# KiCad board panel.opm-inline.kicad_pcb (continued)
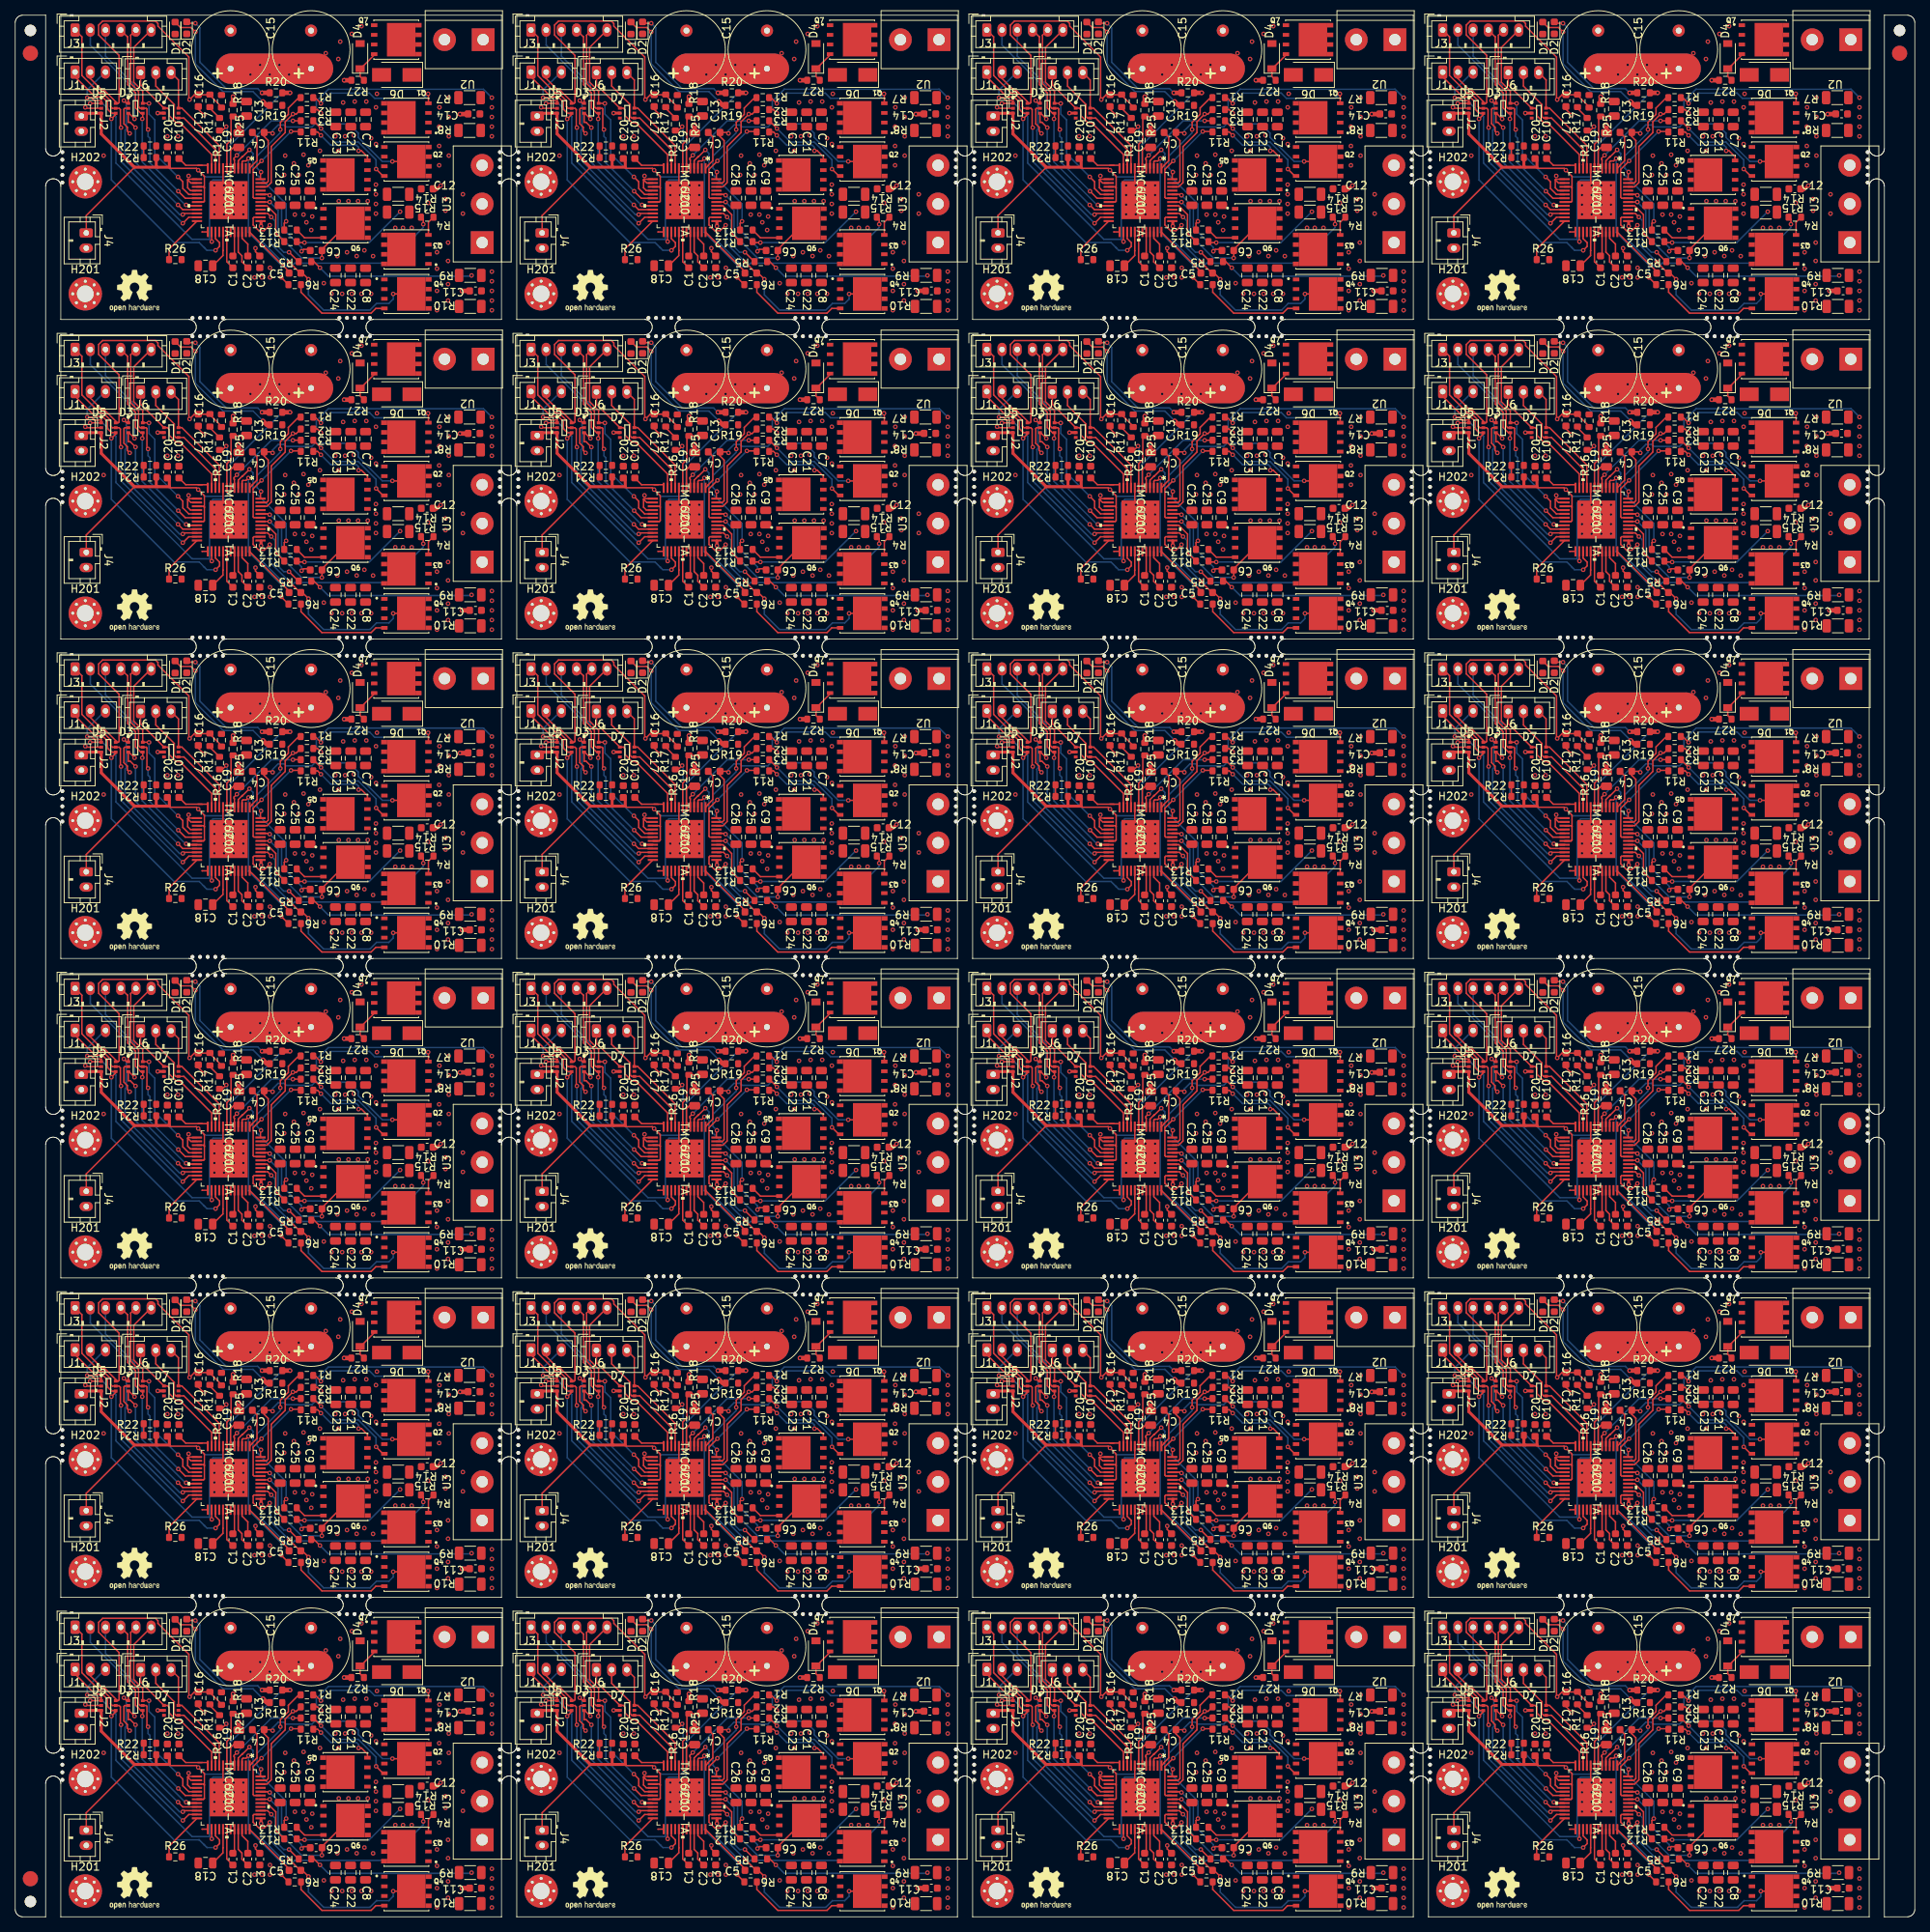
[diagram p0: board, top side]
## Placement (name value [footprint] x y rotation side) (continued)
C13#4  2.2uF/50V  [C_0805_2012Metric]  30.42 153.67 90 top
C13#5  2.2uF/50V  [C_0805_2012Metric]  90.37 27.7 90 top
C13#6  2.2uF/50V  [C_0805_2012Metric]  90.37 69.69 90 top
C13#7  2.2uF/50V  [C_0805_2012Metric]  210.27 111.68 90 top
C13#8  2.2uF/50V  [C_0805_2012Metric]  90.37 111.68 90 top
C13#9  2.2uF/50V  [C_0805_2012Metric]  90.37 153.67 90 top
C13#10  2.2uF/50V  [C_0805_2012Metric]  210.27 153.67 90 top
C13#11  2.2uF/50V  [C_0805_2012Metric]  210.27 237.65 90 top
C13#12  2.2uF/50V  [C_0805_2012Metric]  210.27 27.7 90 top
C13#13  2.2uF/50V  [C_0805_2012Metric]  30.42 69.69 90 top
C13#14  2.2uF/50V  [C_0805_2012Metric]  90.37 195.66 90 top
C13#15  2.2uF/50V  [C_0805_2012Metric]  210.27 69.69 90 top
C13#16  2.2uF/50V  [C_0805_2012Metric]  30.42 237.65 90 top
C13#17  2.2uF/50V  [C_0805_2012Metric]  150.32 195.66 90 top
C13#18  2.2uF/50V  [C_0805_2012Metric]  30.42 195.66 90 top
C13#19  2.2uF/50V  [C_0805_2012Metric]  30.42 27.7 90 top
C13#20  2.2uF/50V  [C_0805_2012Metric]  150.32 69.69 90 top
C13#21  2.2uF/50V  [C_0805_2012Metric]  150.32 153.67 90 top
C13#22  2.2uF/50V  [C_0805_2012Metric]  210.27 195.66 90 top
C13#23  2.2uF/50V  [C_0805_2012Metric]  150.32 27.7 90 top
C13#24  2.2uF/50V  [C_0805_2012Metric]  30.42 111.68 90 top
C14  1nF/100V  [C_0603_1608Metric]  120.28 111.01 180 top
C14#2  1nF/100V  [C_0603_1608Metric]  60.33 153 180 top
C14#3  1nF/100V  [C_0603_1608Metric]  180.23 236.98 180 top
C14#4  1nF/100V  [C_0603_1608Metric]  120.28 236.98 180 top
C14#5  1nF/100V  [C_0603_1608Metric]  180.23 111.01 180 top
C14#6  1nF/100V  [C_0603_1608Metric]  180.23 69.02 180 top
C14#7  1nF/100V  [C_0603_1608Metric]  60.33 69.02 180 top
C14#8  1nF/100V  [C_0603_1608Metric]  240.18 194.99 180 top
C14#9  1nF/100V  [C_0603_1608Metric]  180.23 194.99 180 top
C14#10  1nF/100V  [C_0603_1608Metric]  180.23 27.03 180 top
C14#11  1nF/100V  [C_0603_1608Metric]  120.28 69.02 180 top
C14#12  1nF/100V  [C_0603_1608Metric]  240.18 27.03 180 top
C14#13  1nF/100V  [C_0603_1608Metric]  60.33 111.01 180 top
C14#14  1nF/100V  [C_0603_1608Metric]  240.18 111.01 180 top
C14#15  1nF/100V  [C_0603_1608Metric]  240.18 236.98 180 top
C14#16  1nF/100V  [C_0603_1608Metric]  120.28 27.03 180 top
C14#17  1nF/100V  [C_0603_1608Metric]  120.28 153 180 top
C14#18  1nF/100V  [C_0603_1608Metric]  60.33 27.03 180 top
C14#19  1nF/100V  [C_0603_1608Metric]  120.28 194.99 180 top
C14#20  1nF/100V  [C_0603_1608Metric]  180.23 153 180 top
C14#21  1nF/100V  [C_0603_1608Metric]  60.33 236.98 180 top
C14#22  1nF/100V  [C_0603_1608Metric]  240.18 153 180 top
C14#23  1nF/100V  [C_0603_1608Metric]  240.18 69.02 180 top
C14#24  1nF/100V  [C_0603_1608Metric]  60.33 194.99 180 top
C15  330uF/63V  [C_Radial_D10.0mm_H20.0mm_P5.00mm]  38.91 200.94 90 top
C15#2  330uF/63V  [C_Radial_D10.0mm_H20.0mm_P5.00mm]  218.76 74.97 90 top
C15#3  330uF/63V  [C_Radial_D10.0mm_H20.0mm_P5.00mm]  218.76 242.93 90 top
C15#4  330uF/63V  [C_Radial_D10.0mm_H20.0mm_P5.00mm]  218.76 200.94 90 top
C15#5  330uF/63V  [C_Radial_D10.0mm_H20.0mm_P5.00mm]  98.86 116.96 90 top
C15#6  330uF/63V  [C_Radial_D10.0mm_H20.0mm_P5.00mm]  218.76 116.96 90 top
C15#7  330uF/63V  [C_Radial_D10.0mm_H20.0mm_P5.00mm]  158.81 116.96 90 top
C15#8  330uF/63V  [C_Radial_D10.0mm_H20.0mm_P5.00mm]  218.76 32.98 90 top
C15#9  330uF/63V  [C_Radial_D10.0mm_H20.0mm_P5.00mm]  38.91 158.95 90 top
C15#10  330uF/63V  [C_Radial_D10.0mm_H20.0mm_P5.00mm]  98.86 74.97 90 top
C15#11  330uF/63V  [C_Radial_D10.0mm_H20.0mm_P5.00mm]  158.81 74.97 90 top
C15#12  330uF/63V  [C_Radial_D10.0mm_H20.0mm_P5.00mm]  158.81 242.93 90 top
C15#13  330uF/63V  [C_Radial_D10.0mm_H20.0mm_P5.00mm]  38.91 32.98 90 top
C15#14  330uF/63V  [C_Radial_D10.0mm_H20.0mm_P5.00mm]  38.91 242.93 90 top
C15#15  330uF/63V  [C_Radial_D10.0mm_H20.0mm_P5.00mm]  38.91 74.97 90 top
C15#16  330uF/63V  [C_Radial_D10.0mm_H20.0mm_P5.00mm]  98.86 200.94 90 top
C15#17  330uF/63V  [C_Radial_D10.0mm_H20.0mm_P5.00mm]  98.86 158.95 90 top
C15#18  330uF/63V  [C_Radial_D10.0mm_H20.0mm_P5.00mm]  98.86 32.98 90 top
C15#19  330uF/63V  [C_Radial_D10.0mm_H20.0mm_P5.00mm]  158.81 200.94 90 top
C15#20  330uF/63V  [C_Radial_D10.0mm_H20.0mm_P5.00mm]  218.76 158.95 90 top
C15#21  330uF/63V  [C_Radial_D10.0mm_H20.0mm_P5.00mm]  98.86 242.93 90 top
C15#22  330uF/63V  [C_Radial_D10.0mm_H20.0mm_P5.00mm]  158.81 32.98 90 top
C15#23  330uF/63V  [C_Radial_D10.0mm_H20.0mm_P5.00mm]  158.81 158.95 90 top
C15#24  330uF/63V  [C_Radial_D10.0mm_H20.0mm_P5.00mm]  38.91 116.96 90 top
C16  330uF/63V  [C_Radial_D10.0mm_H20.0mm_P5.00mm]  88.27 200.94 90 top
C16#2  330uF/63V  [C_Radial_D10.0mm_H20.0mm_P5.00mm]  148.22 32.98 90 top
C16#3  330uF/63V  [C_Radial_D10.0mm_H20.0mm_P5.00mm]  148.22 74.97 90 top
C16#4  330uF/63V  [C_Radial_D10.0mm_H20.0mm_P5.00mm]  208.17 158.95 90 top
C16#5  330uF/63V  [C_Radial_D10.0mm_H20.0mm_P5.00mm]  148.22 200.94 90 top
C16#6  330uF/63V  [C_Radial_D10.0mm_H20.0mm_P5.00mm]  148.22 158.95 90 top
C16#7  330uF/63V  [C_Radial_D10.0mm_H20.0mm_P5.00mm]  148.22 242.93 90 top
C16#8  330uF/63V  [C_Radial_D10.0mm_H20.0mm_P5.00mm]  208.17 74.97 90 top
C16#9  330uF/63V  [C_Radial_D10.0mm_H20.0mm_P5.00mm]  208.17 200.94 90 top
C16#10  330uF/63V  [C_Radial_D10.0mm_H20.0mm_P5.00mm]  88.27 32.98 90 top
C16#11  330uF/63V  [C_Radial_D10.0mm_H20.0mm_P5.00mm]  88.27 116.96 90 top
C16#12  330uF/63V  [C_Radial_D10.0mm_H20.0mm_P5.00mm]  88.27 74.97 90 top
C16#13  330uF/63V  [C_Radial_D10.0mm_H20.0mm_P5.00mm]  28.32 158.95 90 top
C16#14  330uF/63V  [C_Radial_D10.0mm_H20.0mm_P5.00mm]  28.32 200.94 90 top
C16#15  330uF/63V  [C_Radial_D10.0mm_H20.0mm_P5.00mm]  208.17 242.93 90 top
C16#16  330uF/63V  [C_Radial_D10.0mm_H20.0mm_P5.00mm]  88.27 242.93 90 top
C16#17  330uF/63V  [C_Radial_D10.0mm_H20.0mm_P5.00mm]  88.27 158.95 90 top
C16#18  330uF/63V  [C_Radial_D10.0mm_H20.0mm_P5.00mm]  28.32 116.96 90 top
C16#19  330uF/63V  [C_Radial_D10.0mm_H20.0mm_P5.00mm]  28.32 74.97 90 top
C16#20  330uF/63V  [C_Radial_D10.0mm_H20.0mm_P5.00mm]  208.17 116.96 90 top
C16#21  330uF/63V  [C_Radial_D10.0mm_H20.0mm_P5.00mm]  208.17 32.98 90 top
C16#22  330uF/63V  [C_Radial_D10.0mm_H20.0mm_P5.00mm]  148.22 116.96 90 top
C16#23  330uF/63V  [C_Radial_D10.0mm_H20.0mm_P5.00mm]  28.32 242.93 90 top
C16#24  330uF/63V  [C_Radial_D10.0mm_H20.0mm_P5.00mm]  28.32 32.98 90 top
C17  100nF/50V  [C_0603_1608Metric]  24.07 154.74 270 top
C17#2  100nF/50V  [C_0603_1608Metric]  24.07 28.77 270 top
C17#3  100nF/50V  [C_0603_1608Metric]  24.07 112.75 270 top
C17#4  100nF/50V  [C_0603_1608Metric]  143.97 154.74 270 top
C17#5  100nF/50V  [C_0603_1608Metric]  203.92 28.77 270 top
C17#6  100nF/50V  [C_0603_1608Metric]  143.97 28.77 270 top
C17#7  100nF/50V  [C_0603_1608Metric]  84.02 196.73 270 top
C17#8  100nF/50V  [C_0603_1608Metric]  143.97 70.76 270 top
C17#9  100nF/50V  [C_0603_1608Metric]  24.07 238.72 270 top
C17#10  100nF/50V  [C_0603_1608Metric]  143.97 196.73 270 top
C17#11  100nF/50V  [C_0603_1608Metric]  203.92 70.76 270 top
C17#12  100nF/50V  [C_0603_1608Metric]  84.02 238.72 270 top
C17#13  100nF/50V  [C_0603_1608Metric]  203.92 154.74 270 top
C17#14  100nF/50V  [C_0603_1608Metric]  203.92 112.75 270 top
C17#15  100nF/50V  [C_0603_1608Metric]  203.92 238.72 270 top
C17#16  100nF/50V  [C_0603_1608Metric]  84.02 70.76 270 top
C17#17  100nF/50V  [C_0603_1608Metric]  84.02 28.77 270 top
C17#18  100nF/50V  [C_0603_1608Metric]  24.07 196.73 270 top
C17#19  100nF/50V  [C_0603_1608Metric]  203.92 196.73 270 top
C17#20  100nF/50V  [C_0603_1608Metric]  24.07 70.76 270 top
C17#21  100nF/50V  [C_0603_1608Metric]  84.02 154.74 270 top
C17#22  100nF/50V  [C_0603_1608Metric]  143.97 238.72 270 top
C17#23  100nF/50V  [C_0603_1608Metric]  143.97 112.75 270 top
C17#24  100nF/50V  [C_0603_1608Metric]  84.02 112.75 270 top
C18  100nF/100V  [C_0805_2012Metric]  84.97 217.02 180 top
C18#2  100nF/100V  [C_0805_2012Metric]  25.02 49.06 180 top
C18#3  100nF/100V  [C_0805_2012Metric]  204.87 175.03 180 top
C18#4  100nF/100V  [C_0805_2012Metric]  25.02 217.02 180 top
C18#5  100nF/100V  [C_0805_2012Metric]  204.87 133.04 180 top
C18#6  100nF/100V  [C_0805_2012Metric]  204.87 217.02 180 top
C18#7  100nF/100V  [C_0805_2012Metric]  204.87 91.05 180 top
C18#8  100nF/100V  [C_0805_2012Metric]  25.02 91.05 180 top
C18#9  100nF/100V  [C_0805_2012Metric]  144.92 133.04 180 top
C18#10  100nF/100V  [C_0805_2012Metric]  84.97 133.04 180 top
C18#11  100nF/100V  [C_0805_2012Metric]  144.92 91.05 180 top
C18#12  100nF/100V  [C_0805_2012Metric]  84.97 49.06 180 top
C18#13  100nF/100V  [C_0805_2012Metric]  84.97 7.07 180 top
C18#14  100nF/100V  [C_0805_2012Metric]  204.87 49.06 180 top
C18#15  100nF/100V  [C_0805_2012Metric]  144.92 175.03 180 top
C18#16  100nF/100V  [C_0805_2012Metric]  144.92 7.07 180 top
C18#17  100nF/100V  [C_0805_2012Metric]  144.92 217.02 180 top
C18#18  100nF/100V  [C_0805_2012Metric]  25.02 7.07 180 top
C18#19  100nF/100V  [C_0805_2012Metric]  84.97 91.05 180 top
C18#20  100nF/100V  [C_0805_2012Metric]  25.02 133.04 180 top
C18#21  100nF/100V  [C_0805_2012Metric]  84.97 175.03 180 top
C18#22  100nF/100V  [C_0805_2012Metric]  204.87 7.07 180 top
C18#23  100nF/100V  [C_0805_2012Metric]  25.02 175.03 180 top
C18#24  100nF/100V  [C_0805_2012Metric]  144.92 49.06 180 top
C19  2.2uF/50V  [C_0805_2012Metric]  89.36 107.56 90 top
C19#2  2.2uF/50V  [C_0805_2012Metric]  149.31 149.55 90 top
C19#3  2.2uF/50V  [C_0805_2012Metric]  29.41 149.55 90 top
C19#4  2.2uF/50V  [C_0805_2012Metric]  89.36 23.58 90 top
C19#5  2.2uF/50V  [C_0805_2012Metric]  149.31 191.54 90 top
C19#6  2.2uF/50V  [C_0805_2012Metric]  29.41 191.54 90 top
C19#7  2.2uF/50V  [C_0805_2012Metric]  209.26 149.55 90 top
C19#8  2.2uF/50V  [C_0805_2012Metric]  29.41 233.53 90 top
C19#9  2.2uF/50V  [C_0805_2012Metric]  89.36 65.57 90 top
C19#10  2.2uF/50V  [C_0805_2012Metric]  29.41 107.56 90 top
C19#11  2.2uF/50V  [C_0805_2012Metric]  209.26 191.54 90 top
C19#12  2.2uF/50V  [C_0805_2012Metric]  149.31 107.56 90 top
C19#13  2.2uF/50V  [C_0805_2012Metric]  89.36 149.55 90 top
C19#14  2.2uF/50V  [C_0805_2012Metric]  89.36 233.53 90 top
C19#15  2.2uF/50V  [C_0805_2012Metric]  149.31 65.57 90 top
C19#16  2.2uF/50V  [C_0805_2012Metric]  29.41 23.58 90 top
C19#17  2.2uF/50V  [C_0805_2012Metric]  209.26 107.56 90 top
C19#18  2.2uF/50V  [C_0805_2012Metric]  149.31 23.58 90 top
C19#19  2.2uF/50V  [C_0805_2012Metric]  209.26 23.58 90 top
C19#20  2.2uF/50V  [C_0805_2012Metric]  149.31 233.53 90 top
C19#21  2.2uF/50V  [C_0805_2012Metric]  89.36 191.54 90 top
C19#22  2.2uF/50V  [C_0805_2012Metric]  209.26 233.53 90 top
C19#23  2.2uF/50V  [C_0805_2012Metric]  29.41 65.57 90 top
C19#24  2.2uF/50V  [C_0805_2012Metric]  209.26 65.57 90 top
C20  100nF/50V  [C_0603_1608Metric]  199.86 189.89 90 top
C20#2  100nF/50V  [C_0603_1608Metric]  139.91 105.91 90 top
C20#3  100nF/50V  [C_0603_1608Metric]  20.01 147.9 90 top
C20#4  100nF/50V  [C_0603_1608Metric]  20.01 21.93 90 top
C20#5  100nF/50V  [C_0603_1608Metric]  79.96 21.93 90 top
C20#6  100nF/50V  [C_0603_1608Metric]  79.96 105.91 90 top
C20#7  100nF/50V  [C_0603_1608Metric]  79.96 231.89 90 top
C20#8  100nF/50V  [C_0603_1608Metric]  199.86 231.89 90 top
C20#9  100nF/50V  [C_0603_1608Metric]  79.96 147.9 90 top
C20#10  100nF/50V  [C_0603_1608Metric]  199.86 105.91 90 top
C20#11  100nF/50V  [C_0603_1608Metric]  199.86 147.9 90 top
C20#12  100nF/50V  [C_0603_1608Metric]  20.01 231.89 90 top
C20#13  100nF/50V  [C_0603_1608Metric]  139.91 63.92 90 top
C20#14  100nF/50V  [C_0603_1608Metric]  79.96 63.92 90 top
C20#15  100nF/50V  [C_0603_1608Metric]  20.01 189.89 90 top
C20#16  100nF/50V  [C_0603_1608Metric]  139.91 231.89 90 top
C20#17  100nF/50V  [C_0603_1608Metric]  199.86 21.93 90 top
C20#18  100nF/50V  [C_0603_1608Metric]  20.01 105.91 90 top
C20#19  100nF/50V  [C_0603_1608Metric]  139.91 21.93 90 top
C20#20  100nF/50V  [C_0603_1608Metric]  139.91 189.89 90 top
C20#21  100nF/50V  [C_0603_1608Metric]  139.91 147.9 90 top
C20#22  100nF/50V  [C_0603_1608Metric]  79.96 189.89 90 top
C20#23  100nF/50V  [C_0603_1608Metric]  20.01 63.92 90 top
C20#24  100nF/50V  [C_0603_1608Metric]  199.86 63.92 90 top
C21  1uF/100V  [C_0805_2012Metric]  104.08 152.28 270 top
C21#2  1uF/100V  [C_0805_2012Metric]  223.98 236.26 270 top
C21#3  1uF/100V  [C_0805_2012Metric]  164.03 194.27 270 top
C21#4  1uF/100V  [C_0805_2012Metric]  223.98 152.28 270 top
C21#5  1uF/100V  [C_0805_2012Metric]  104.08 110.29 270 top
C21#6  1uF/100V  [C_0805_2012Metric]  223.98 68.3 270 top
C21#7  1uF/100V  [C_0805_2012Metric]  223.98 110.29 270 top
C21#8  1uF/100V  [C_0805_2012Metric]  223.98 194.27 270 top
C21#9  1uF/100V  [C_0805_2012Metric]  164.03 236.26 270 top
C21#10  1uF/100V  [C_0805_2012Metric]  44.13 26.31 270 top
C21#11  1uF/100V  [C_0805_2012Metric]  44.13 152.28 270 top
C21#12  1uF/100V  [C_0805_2012Metric]  104.08 26.31 270 top
C21#13  1uF/100V  [C_0805_2012Metric]  44.13 236.26 270 top
C21#14  1uF/100V  [C_0805_2012Metric]  104.08 194.27 270 top
C21#15  1uF/100V  [C_0805_2012Metric]  104.08 68.3 270 top
C21#16  1uF/100V  [C_0805_2012Metric]  164.03 110.29 270 top
C21#17  1uF/100V  [C_0805_2012Metric]  44.13 110.29 270 top
C21#18  1uF/100V  [C_0805_2012Metric]  223.98 26.31 270 top
C21#19  1uF/100V  [C_0805_2012Metric]  164.03 152.28 270 top
C21#20  1uF/100V  [C_0805_2012Metric]  164.03 68.3 270 top
C21#21  1uF/100V  [C_0805_2012Metric]  104.08 236.26 270 top
C21#22  1uF/100V  [C_0805_2012Metric]  44.13 194.27 270 top
C21#23  1uF/100V  [C_0805_2012Metric]  44.13 68.3 270 top
C21#24  1uF/100V  [C_0805_2012Metric]  164.03 26.31 270 top
C22  1uF/100V  [C_0805_2012Metric]  223.95 215.76 270 top
C22#2  1uF/100V  [C_0805_2012Metric]  44.1 173.77 270 top
C22#3  1uF/100V  [C_0805_2012Metric]  164 5.81 270 top
C22#4  1uF/100V  [C_0805_2012Metric]  164 173.77 270 top
C22#5  1uF/100V  [C_0805_2012Metric]  104.05 173.77 270 top
C22#6  1uF/100V  [C_0805_2012Metric]  44.1 131.78 270 top
C22#7  1uF/100V  [C_0805_2012Metric]  104.05 5.81 270 top
C22#8  1uF/100V  [C_0805_2012Metric]  104.05 131.78 270 top
C22#9  1uF/100V  [C_0805_2012Metric]  164 89.79 270 top
C22#10  1uF/100V  [C_0805_2012Metric]  104.05 215.76 270 top
C22#11  1uF/100V  [C_0805_2012Metric]  44.1 89.79 270 top
C22#12  1uF/100V  [C_0805_2012Metric]  223.95 173.77 270 top
C22#13  1uF/100V  [C_0805_2012Metric]  44.1 47.8 270 top
C22#14  1uF/100V  [C_0805_2012Metric]  223.95 131.78 270 top
C22#15  1uF/100V  [C_0805_2012Metric]  164 131.78 270 top
C22#16  1uF/100V  [C_0805_2012Metric]  164 215.76 270 top
C22#17  1uF/100V  [C_0805_2012Metric]  44.1 215.76 270 top
C22#18  1uF/100V  [C_0805_2012Metric]  104.05 47.8 270 top
C22#19  1uF/100V  [C_0805_2012Metric]  104.05 89.79 270 top
C22#20  1uF/100V  [C_0805_2012Metric]  164 47.8 270 top
C22#21  1uF/100V  [C_0805_2012Metric]  223.95 89.79 270 top
C22#22  1uF/100V  [C_0805_2012Metric]  223.95 5.81 270 top
C22#23  1uF/100V  [C_0805_2012Metric]  44.1 5.81 270 top
C22#24  1uF/100V  [C_0805_2012Metric]  223.95 47.8 270 top
C23  1uF/100V  [C_0805_2012Metric]  42.16 152.28 270 top
C23#2  1uF/100V  [C_0805_2012Metric]  162.06 152.28 270 top
C23#3  1uF/100V  [C_0805_2012Metric]  222.01 236.26 270 top
C23#4  1uF/100V  [C_0805_2012Metric]  102.11 68.3 270 top
C23#5  1uF/100V  [C_0805_2012Metric]  222.01 110.29 270 top
C23#6  1uF/100V  [C_0805_2012Metric]  42.16 194.27 270 top
C23#7  1uF/100V  [C_0805_2012Metric]  42.16 68.3 270 top
C23#8  1uF/100V  [C_0805_2012Metric]  42.16 110.29 270 top
C23#9  1uF/100V  [C_0805_2012Metric]  222.01 194.27 270 top
C23#10  1uF/100V  [C_0805_2012Metric]  222.01 152.28 270 top
C23#11  1uF/100V  [C_0805_2012Metric]  42.16 26.31 270 top
C23#12  1uF/100V  [C_0805_2012Metric]  102.11 26.31 270 top
C23#13  1uF/100V  [C_0805_2012Metric]  102.11 194.27 270 top
C23#14  1uF/100V  [C_0805_2012Metric]  162.06 194.27 270 top
C23#15  1uF/100V  [C_0805_2012Metric]  222.01 68.3 270 top
C23#16  1uF/100V  [C_0805_2012Metric]  42.16 236.26 270 top
C23#17  1uF/100V  [C_0805_2012Metric]  162.06 26.31 270 top
C23#18  1uF/100V  [C_0805_2012Metric]  162.06 68.3 270 top
C23#19  1uF/100V  [C_0805_2012Metric]  222.01 26.31 270 top
C23#20  1uF/100V  [C_0805_2012Metric]  162.06 110.29 270 top
C23#21  1uF/100V  [C_0805_2012Metric]  102.11 110.29 270 top
C23#22  1uF/100V  [C_0805_2012Metric]  162.06 236.26 270 top
C23#23  1uF/100V  [C_0805_2012Metric]  102.11 152.28 270 top
C23#24  1uF/100V  [C_0805_2012Metric]  102.11 236.26 270 top
C24  1uF/100V  [C_0805_2012Metric]  102.07 131.78 270 top
C24#2  1uF/100V  [C_0805_2012Metric]  102.07 173.77 270 top
C24#3  1uF/100V  [C_0805_2012Metric]  42.12 47.8 270 top
C24#4  1uF/100V  [C_0805_2012Metric]  221.97 215.76 270 top
C24#5  1uF/100V  [C_0805_2012Metric]  162.02 131.78 270 top
C24#6  1uF/100V  [C_0805_2012Metric]  162.02 47.8 270 top
C24#7  1uF/100V  [C_0805_2012Metric]  221.97 131.78 270 top
C24#8  1uF/100V  [C_0805_2012Metric]  42.12 89.79 270 top
C24#9  1uF/100V  [C_0805_2012Metric]  221.97 47.8 270 top
C24#10  1uF/100V  [C_0805_2012Metric]  221.97 5.81 270 top
C24#11  1uF/100V  [C_0805_2012Metric]  162.02 173.77 270 top
C24#12  1uF/100V  [C_0805_2012Metric]  162.02 215.76 270 top
C24#13  1uF/100V  [C_0805_2012Metric]  42.12 173.77 270 top
C24#14  1uF/100V  [C_0805_2012Metric]  162.02 89.79 270 top
C24#15  1uF/100V  [C_0805_2012Metric]  221.97 89.79 270 top
C24#16  1uF/100V  [C_0805_2012Metric]  102.07 215.76 270 top
C24#17  1uF/100V  [C_0805_2012Metric]  42.12 215.76 270 top
C24#18  1uF/100V  [C_0805_2012Metric]  102.07 89.79 270 top
C24#19  1uF/100V  [C_0805_2012Metric]  102.07 5.81 270 top
C24#20  1uF/100V  [C_0805_2012Metric]  102.07 47.8 270 top
C24#21  1uF/100V  [C_0805_2012Metric]  42.12 5.81 270 top
C24#22  1uF/100V  [C_0805_2012Metric]  42.12 131.78 270 top
C24#23  1uF/100V  [C_0805_2012Metric]  162.02 5.81 270 top
C24#24  1uF/100V  [C_0805_2012Metric]  221.97 173.77 270 top
C25  1uF/100V  [C_0805_2012Metric]  36.81 57.96 270 top
C25#2  1uF/100V  [C_0805_2012Metric]  96.76 57.96 270 top
C25#3  1uF/100V  [C_0805_2012Metric]  96.76 141.94 270 top
C25#4  1uF/100V  [C_0805_2012Metric]  36.81 15.97 270 top
C25#5  1uF/100V  [C_0805_2012Metric]  96.76 15.97 270 top
C25#6  1uF/100V  [C_0805_2012Metric]  36.81 225.92 270 top
C25#7  1uF/100V  [C_0805_2012Metric]  216.66 141.94 270 top
C25#8  1uF/100V  [C_0805_2012Metric]  156.71 225.92 270 top
C25#9  1uF/100V  [C_0805_2012Metric]  216.66 15.97 270 top
C25#10  1uF/100V  [C_0805_2012Metric]  96.76 183.93 270 top
C25#11  1uF/100V  [C_0805_2012Metric]  156.71 183.93 270 top
C25#12  1uF/100V  [C_0805_2012Metric]  216.66 225.92 270 top
C25#13  1uF/100V  [C_0805_2012Metric]  216.66 99.95 270 top
C25#14  1uF/100V  [C_0805_2012Metric]  36.81 141.94 270 top
C25#15  1uF/100V  [C_0805_2012Metric]  156.71 57.96 270 top
C25#16  1uF/100V  [C_0805_2012Metric]  156.71 15.97 270 top
C25#17  1uF/100V  [C_0805_2012Metric]  96.76 225.92 270 top
C25#18  1uF/100V  [C_0805_2012Metric]  156.71 141.94 270 top
C25#19  1uF/100V  [C_0805_2012Metric]  36.81 99.95 270 top
C25#20  1uF/100V  [C_0805_2012Metric]  36.81 183.93 270 top
C25#21  1uF/100V  [C_0805_2012Metric]  216.66 183.93 270 top
C25#22  1uF/100V  [C_0805_2012Metric]  156.71 99.95 270 top
C25#23  1uF/100V  [C_0805_2012Metric]  96.76 99.95 270 top
C25#24  1uF/100V  [C_0805_2012Metric]  216.66 57.96 270 top
C26  1uF/100V  [C_0805_2012Metric]  214.69 15.97 270 top
C26#2  1uF/100V  [C_0805_2012Metric]  94.79 141.94 270 top
C26#3  1uF/100V  [C_0805_2012Metric]  154.74 57.96 270 top
C26#4  1uF/100V  [C_0805_2012Metric]  94.79 183.93 270 top
C26#5  1uF/100V  [C_0805_2012Metric]  154.74 225.92 270 top
C26#6  1uF/100V  [C_0805_2012Metric]  94.79 57.96 270 top
C26#7  1uF/100V  [C_0805_2012Metric]  34.84 225.92 270 top
C26#8  1uF/100V  [C_0805_2012Metric]  214.69 141.94 270 top
C26#9  1uF/100V  [C_0805_2012Metric]  94.79 99.95 270 top
C26#10  1uF/100V  [C_0805_2012Metric]  94.79 225.92 270 top
C26#11  1uF/100V  [C_0805_2012Metric]  214.69 99.95 270 top
C26#12  1uF/100V  [C_0805_2012Metric]  34.84 141.94 270 top
C26#13  1uF/100V  [C_0805_2012Metric]  154.74 99.95 270 top
C26#14  1uF/100V  [C_0805_2012Metric]  34.84 15.97 270 top
C26#15  1uF/100V  [C_0805_2012Metric]  154.74 15.97 270 top
C26#16  1uF/100V  [C_0805_2012Metric]  34.84 183.93 270 top
C26#17  1uF/100V  [C_0805_2012Metric]  154.74 183.93 270 top
C26#18  1uF/100V  [C_0805_2012Metric]  214.69 225.92 270 top
C26#19  1uF/100V  [C_0805_2012Metric]  154.74 141.94 270 top
C26#20  1uF/100V  [C_0805_2012Metric]  34.84 99.95 270 top
C26#21  1uF/100V  [C_0805_2012Metric]  214.69 183.93 270 top
C26#22  1uF/100V  [C_0805_2012Metric]  94.79 15.97 270 top
C26#23  1uF/100V  [C_0805_2012Metric]  34.84 57.96 270 top
C26#24  1uF/100V  [C_0805_2012Metric]  214.69 57.96 270 top
D1  Green LED  [LED_0603_1608Metric]  200.88 122.29 90 top
D1#2  Green LED  [LED_0603_1608Metric]  21.03 248.26 90 top
D1#3  Green LED  [LED_0603_1608Metric]  21.03 206.27 90 top
D1#4  Green LED  [LED_0603_1608Metric]  200.88 38.31 90 top
D1#5  Green LED  [LED_0603_1608Metric]  200.88 206.27 90 top
D1#6  Green LED  [LED_0603_1608Metric]  21.03 80.3 90 top
D1#7  Green LED  [LED_0603_1608Metric]  140.93 248.26 90 top
D1#8  Green LED  [LED_0603_1608Metric]  80.98 122.29 90 top
D1#9  Green LED  [LED_0603_1608Metric]  80.98 248.26 90 top
D1#10  Green LED  [LED_0603_1608Metric]  21.03 122.29 90 top
D1#11  Green LED  [LED_0603_1608Metric]  140.93 38.31 90 top
D1#12  Green LED  [LED_0603_1608Metric]  80.98 206.27 90 top
D1#13  Green LED  [LED_0603_1608Metric]  21.03 164.28 90 top
D1#14  Green LED  [LED_0603_1608Metric]  200.88 164.28 90 top
D1#15  Green LED  [LED_0603_1608Metric]  140.93 122.29 90 top
D1#16  Green LED  [LED_0603_1608Metric]  140.93 80.3 90 top
D1#17  Green LED  [LED_0603_1608Metric]  140.93 164.28 90 top
D1#18  Green LED  [LED_0603_1608Metric]  80.98 80.3 90 top
D1#19  Green LED  [LED_0603_1608Metric]  21.03 38.31 90 top
D1#20  Green LED  [LED_0603_1608Metric]  200.88 80.3 90 top
D1#21  Green LED  [LED_0603_1608Metric]  80.98 164.28 90 top
D1#22  Green LED  [LED_0603_1608Metric]  140.93 206.27 90 top
D1#23  Green LED  [LED_0603_1608Metric]  200.88 248.26 90 top
D1#24  Green LED  [LED_0603_1608Metric]  80.98 38.31 90 top
D2  Red LED  [LED_0603_1608Metric]  22.55 80.33 90 top
D2#2  Red LED  [LED_0603_1608Metric]  202.4 80.33 90 top
D2#3  Red LED  [LED_0603_1608Metric]  202.4 122.32 90 top
D2#4  Red LED  [LED_0603_1608Metric]  142.45 38.34 90 top
D2#5  Red LED  [LED_0603_1608Metric]  202.4 248.29 90 top
D2#6  Red LED  [LED_0603_1608Metric]  22.55 164.31 90 top
D2#7  Red LED  [LED_0603_1608Metric]  22.55 38.34 90 top
D2#8  Red LED  [LED_0603_1608Metric]  142.45 122.32 90 top
D2#9  Red LED  [LED_0603_1608Metric]  82.5 164.31 90 top
D2#10  Red LED  [LED_0603_1608Metric]  142.45 206.3 90 top
D2#11  Red LED  [LED_0603_1608Metric]  82.5 206.3 90 top
D2#12  Red LED  [LED_0603_1608Metric]  142.45 248.29 90 top
D2#13  Red LED  [LED_0603_1608Metric]  82.5 122.32 90 top
D2#14  Red LED  [LED_0603_1608Metric]  202.4 164.31 90 top
D2#15  Red LED  [LED_0603_1608Metric]  22.55 122.32 90 top
D2#16  Red LED  [LED_0603_1608Metric]  142.45 164.31 90 top
D2#17  Red LED  [LED_0603_1608Metric]  22.55 206.3 90 top
D2#18  Red LED  [LED_0603_1608Metric]  202.4 38.34 90 top
D2#19  Red LED  [LED_0603_1608Metric]  22.55 248.29 90 top
D2#20  Red LED  [LED_0603_1608Metric]  202.4 206.3 90 top
D2#21  Red LED  [LED_0603_1608Metric]  82.5 38.34 90 top
D2#22  Red LED  [LED_0603_1608Metric]  82.5 248.29 90 top
D2#23  Red LED  [LED_0603_1608Metric]  82.5 80.33 90 top
D2#24  Red LED  [LED_0603_1608Metric]  142.45 80.33 90 top
D3  -  [NUP4114UCW1T2G]  135.72 237.72 0 top
D3#2  -  [NUP4114UCW1T2G]  75.77 69.76 0 top
D3#3  -  [NUP4114UCW1T2G]  15.82 195.73 0 top
D3#4  -  [NUP4114UCW1T2G]  75.77 111.75 0 top
D3#5  -  [NUP4114UCW1T2G]  195.67 237.72 0 top
D3#6  -  [NUP4114UCW1T2G]  195.67 153.74 0 top
D3#7  -  [NUP4114UCW1T2G]  195.67 69.76 0 top
D3#8  -  [NUP4114UCW1T2G]  15.82 153.74 0 top
D3#9  -  [NUP4114UCW1T2G]  15.82 237.72 0 top
D3#10  -  [NUP4114UCW1T2G]  195.67 111.75 0 top
D3#11  -  [NUP4114UCW1T2G]  15.82 111.75 0 top
D3#12  -  [NUP4114UCW1T2G]  15.82 69.76 0 top
D3#13  -  [NUP4114UCW1T2G]  75.77 153.74 0 top
D3#14  -  [NUP4114UCW1T2G]  195.67 27.77 0 top
D3#15  -  [NUP4114UCW1T2G]  75.77 27.77 0 top
D3#16  -  [NUP4114UCW1T2G]  75.77 237.72 0 top
D3#17  -  [NUP4114UCW1T2G]  195.67 195.73 0 top
D3#18  -  [NUP4114UCW1T2G]  135.72 111.75 0 top
D3#19  -  [NUP4114UCW1T2G]  135.72 27.77 0 top
D3#20  -  [NUP4114UCW1T2G]  135.72 153.74 0 top
D3#21  -  [NUP4114UCW1T2G]  15.82 27.77 0 top
D3#22  -  [NUP4114UCW1T2G]  75.77 195.73 0 top
D3#23  -  [NUP4114UCW1T2G]  135.72 195.73 0 top
D3#24  -  [NUP4114UCW1T2G]  135.72 69.76 0 top
D4  10V  [D_SOD-123]  165.26 244.58 90 top
D4#2  10V  [D_SOD-123]  45.36 118.61 90 top
D4#3  10V  [D_SOD-123]  105.31 118.61 90 top
D4#4  10V  [D_SOD-123]  105.31 160.6 90 top
D4#5  10V  [D_SOD-123]  45.36 160.6 90 top
D4#6  10V  [D_SOD-123]  45.36 76.62 90 top
D4#7  10V  [D_SOD-123]  105.31 244.58 90 top
D4#8  10V  [D_SOD-123]  45.36 34.63 90 top
D4#9  10V  [D_SOD-123]  225.21 244.58 90 top
D4#10  10V  [D_SOD-123]  225.21 160.6 90 top
D4#11  10V  [D_SOD-123]  165.26 118.61 90 top
D4#12  10V  [D_SOD-123]  225.21 34.63 90 top
D4#13  10V  [D_SOD-123]  225.21 76.62 90 top
D4#14  10V  [D_SOD-123]  105.31 34.63 90 top
D4#15  10V  [D_SOD-123]  165.26 202.59 90 top
D4#16  10V  [D_SOD-123]  225.21 118.61 90 top
D4#17  10V  [D_SOD-123]  165.26 76.62 90 top
D4#18  10V  [D_SOD-123]  105.31 202.59 90 top
D4#19  10V  [D_SOD-123]  105.31 76.62 90 top
D4#20  10V  [D_SOD-123]  225.21 202.59 90 top
D4#21  10V  [D_SOD-123]  165.26 34.63 90 top
D4#22  10V  [D_SOD-123]  45.36 202.59 90 top
D4#23  10V  [D_SOD-123]  165.26 160.6 90 top
D4#24  10V  [D_SOD-123]  45.36 244.58 90 top
D5  -  [NUP4114UCW1T2G]  12.26 69.76 0 top
D5#2  -  [NUP4114UCW1T2G]  72.21 237.72 0 top
D5#3  -  [NUP4114UCW1T2G]  192.11 237.72 0 top
D5#4  -  [NUP4114UCW1T2G]  192.11 111.75 0 top
D5#5  -  [NUP4114UCW1T2G]  132.16 153.74 0 top
D5#6  -  [NUP4114UCW1T2G]  72.21 153.74 0 top
D5#7  -  [NUP4114UCW1T2G]  192.11 195.73 0 top
D5#8  -  [NUP4114UCW1T2G]  192.11 27.77 0 top
D5#9  -  [NUP4114UCW1T2G]  12.26 111.75 0 top
D5#10  -  [NUP4114UCW1T2G]  132.16 195.73 0 top
D5#11  -  [NUP4114UCW1T2G]  12.26 27.77 0 top
D5#12  -  [NUP4114UCW1T2G]  132.16 27.77 0 top
D5#13  -  [NUP4114UCW1T2G]  132.16 69.76 0 top
D5#14  -  [NUP4114UCW1T2G]  72.21 69.76 0 top
D5#15  -  [NUP4114UCW1T2G]  72.21 111.75 0 top
D5#16  -  [NUP4114UCW1T2G]  192.11 153.74 0 top
D5#17  -  [NUP4114UCW1T2G]  72.21 27.77 0 top
D5#18  -  [NUP4114UCW1T2G]  12.26 237.72 0 top
D5#19  -  [NUP4114UCW1T2G]  132.16 237.72 0 top
D5#20  -  [NUP4114UCW1T2G]  132.16 111.75 0 top
D5#21  -  [NUP4114UCW1T2G]  72.21 195.73 0 top
D5#22  -  [NUP4114UCW1T2G]  12.26 195.73 0 top
D5#23  -  [NUP4114UCW1T2G]  192.11 69.76 0 top
D5#24  -  [NUP4114UCW1T2G]  12.26 153.74 0 top
D6  TVS DIODE  [D_SMA]  170.08 242.11 180 top
D6#2  TVS DIODE  [D_SMA]  50.18 242.11 180 top
D6#3  TVS DIODE  [D_SMA]  110.13 200.12 180 top
D6#4  TVS DIODE  [D_SMA]  110.13 242.11 180 top
D6#5  TVS DIODE  [D_SMA]  50.18 158.13 180 top
D6#6  TVS DIODE  [D_SMA]  230.03 200.12 180 top
D6#7  TVS DIODE  [D_SMA]  230.03 158.13 180 top
D6#8  TVS DIODE  [D_SMA]  230.03 32.16 180 top
D6#9  TVS DIODE  [D_SMA]  50.18 32.16 180 top
D6#10  TVS DIODE  [D_SMA]  170.08 200.12 180 top
D6#11  TVS DIODE  [D_SMA]  170.08 74.15 180 top
D6#12  TVS DIODE  [D_SMA]  110.13 32.16 180 top
D6#13  TVS DIODE  [D_SMA]  230.03 116.14 180 top
D6#14  TVS DIODE  [D_SMA]  50.18 74.15 180 top
D6#15  TVS DIODE  [D_SMA]  110.13 74.15 180 top
D6#16  TVS DIODE  [D_SMA]  230.03 74.15 180 top
D6#17  TVS DIODE  [D_SMA]  110.13 158.13 180 top
D6#18  TVS DIODE  [D_SMA]  170.08 116.14 180 top
D6#19  TVS DIODE  [D_SMA]  170.08 158.13 180 top
D6#20  TVS DIODE  [D_SMA]  110.13 116.14 180 top
D6#21  TVS DIODE  [D_SMA]  50.18 200.12 180 top
D6#22  TVS DIODE  [D_SMA]  230.03 242.11 180 top
D6#23  TVS DIODE  [D_SMA]  170.08 32.16 180 top
D6#24  TVS DIODE  [D_SMA]  50.18 116.14 180 top
D7  -  [NUP4114UCW1T2G]  80.47 27.13 0 top
D7#2  -  [NUP4114UCW1T2G]  80.47 153.1 0 top
D7#3  -  [NUP4114UCW1T2G]  200.37 237.08 0 top
D7#4  -  [NUP4114UCW1T2G]  80.47 195.09 0 top
D7#5  -  [NUP4114UCW1T2G]  200.37 111.11 0 top
D7#6  -  [NUP4114UCW1T2G]  140.42 195.09 0 top
D7#7  -  [NUP4114UCW1T2G]  20.52 27.13 0 top
D7#8  -  [NUP4114UCW1T2G]  20.52 237.08 0 top
D7#9  -  [NUP4114UCW1T2G]  140.42 69.12 0 top
D7#10  -  [NUP4114UCW1T2G]  80.47 111.11 0 top
D7#11  -  [NUP4114UCW1T2G]  200.37 27.13 0 top
D7#12  -  [NUP4114UCW1T2G]  20.52 195.09 0 top
D7#13  -  [NUP4114UCW1T2G]  200.37 195.09 0 top
D7#14  -  [NUP4114UCW1T2G]  140.42 111.11 0 top
D7#15  -  [NUP4114UCW1T2G]  140.42 27.13 0 top
D7#16  -  [NUP4114UCW1T2G]  20.52 153.1 0 top
D7#17  -  [NUP4114UCW1T2G]  140.42 153.1 0 top
D7#18  -  [NUP4114UCW1T2G]  140.42 237.08 0 top
D7#19  -  [NUP4114UCW1T2G]  200.37 69.12 0 top
D7#20  -  [NUP4114UCW1T2G]  20.52 111.11 0 top
D7#21  -  [NUP4114UCW1T2G]  80.47 237.08 0 top
D7#22  -  [NUP4114UCW1T2G]  20.52 69.12 0 top
D7#23  -  [NUP4114UCW1T2G]  200.37 153.1 0 top
D7#24  -  [NUP4114UCW1T2G]  80.47 69.12 0 top
H201  MountingHole  [MountingHole_2.2mm_M2_Pad_Via]  129.12 171.34 0 top
H201#2  MountingHole  [MountingHole_2.2mm_M2_Pad_Via]  9.21 171.34 0 top
H201#3  MountingHole  [MountingHole_2.2mm_M2_Pad_Via]  9.21 213.34 0 top
H201#4  MountingHole  [MountingHole_2.2mm_M2_Pad_Via]  9.21 87.36 0 top
H201#5  MountingHole  [MountingHole_2.2mm_M2_Pad_Via]  69.17 171.34 0 top
H201#6  MountingHole  [MountingHole_2.2mm_M2_Pad_Via]  9.21 3.38 0 top
H201#7  MountingHole  [MountingHole_2.2mm_M2_Pad_Via]  129.12 129.35 0 top
H201#8  MountingHole  [MountingHole_2.2mm_M2_Pad_Via]  189.07 171.34 0 top
H201#9  MountingHole  [MountingHole_2.2mm_M2_Pad_Via]  189.07 45.37 0 top
H201#10  MountingHole  [MountingHole_2.2mm_M2_Pad_Via]  69.17 213.34 0 top
H201#11  MountingHole  [MountingHole_2.2mm_M2_Pad_Via]  69.17 87.36 0 top
H201#12  MountingHole  [MountingHole_2.2mm_M2_Pad_Via]  129.12 45.37 0 top
H201#13  MountingHole  [MountingHole_2.2mm_M2_Pad_Via]  189.07 3.38 0 top
H201#14  MountingHole  [MountingHole_2.2mm_M2_Pad_Via]  189.07 213.34 0 top
H201#15  MountingHole  [MountingHole_2.2mm_M2_Pad_Via]  129.12 213.34 0 top
H201#16  MountingHole  [MountingHole_2.2mm_M2_Pad_Via]  9.21 45.37 0 top
H201#17  MountingHole  [MountingHole_2.2mm_M2_Pad_Via]  9.21 129.35 0 top
H201#18  MountingHole  [MountingHole_2.2mm_M2_Pad_Via]  129.12 87.36 0 top
H201#19  MountingHole  [MountingHole_2.2mm_M2_Pad_Via]  189.07 87.36 0 top
H201#20  MountingHole  [MountingHole_2.2mm_M2_Pad_Via]  189.07 129.35 0 top
H201#21  MountingHole  [MountingHole_2.2mm_M2_Pad_Via]  69.17 3.38 0 top
H201#22  MountingHole  [MountingHole_2.2mm_M2_Pad_Via]  129.12 3.38 0 top
H201#23  MountingHole  [MountingHole_2.2mm_M2_Pad_Via]  69.17 129.35 0 top
H201#24  MountingHole  [MountingHole_2.2mm_M2_Pad_Via]  69.17 45.37 0 top
H202  MountingHole  [MountingHole_2.2mm_M2_Pad_Via]  189.07 102.1 0 top
H202#2  MountingHole  [MountingHole_2.2mm_M2_Pad_Via]  129.12 186.08 0 top
H202#3  MountingHole  [MountingHole_2.2mm_M2_Pad_Via]  69.17 186.08 0 top
H202#4  MountingHole  [MountingHole_2.2mm_M2_Pad_Via]  129.12 60.11 0 top
H202#5  MountingHole  [MountingHole_2.2mm_M2_Pad_Via]  9.21 60.11 0 top
H202#6  MountingHole  [MountingHole_2.2mm_M2_Pad_Via]  129.12 18.12 0 top
H202#7  MountingHole  [MountingHole_2.2mm_M2_Pad_Via]  189.07 144.09 0 top
H202#8  MountingHole  [MountingHole_2.2mm_M2_Pad_Via]  69.17 144.09 0 top
H202#9  MountingHole  [MountingHole_2.2mm_M2_Pad_Via]  9.21 18.12 0 top
H202#10  MountingHole  [MountingHole_2.2mm_M2_Pad_Via]  189.07 18.12 0 top
H202#11  MountingHole  [MountingHole_2.2mm_M2_Pad_Via]  9.21 102.1 0 top
H202#12  MountingHole  [MountingHole_2.2mm_M2_Pad_Via]  189.07 186.08 0 top
H202#13  MountingHole  [MountingHole_2.2mm_M2_Pad_Via]  69.17 228.07 0 top
H202#14  MountingHole  [MountingHole_2.2mm_M2_Pad_Via]  69.17 60.11 0 top
H202#15  MountingHole  [MountingHole_2.2mm_M2_Pad_Via]  189.07 60.11 0 top
H202#16  MountingHole  [MountingHole_2.2mm_M2_Pad_Via]  189.07 228.07 0 top
H202#17  MountingHole  [MountingHole_2.2mm_M2_Pad_Via]  129.12 144.09 0 top
H202#18  MountingHole  [MountingHole_2.2mm_M2_Pad_Via]  129.12 228.07 0 top
H202#19  MountingHole  [MountingHole_2.2mm_M2_Pad_Via]  129.12 102.1 0 top
H202#20  MountingHole  [MountingHole_2.2mm_M2_Pad_Via]  9.21 144.09 0 top
H202#21  MountingHole  [MountingHole_2.2mm_M2_Pad_Via]  9.21 186.08 0 top
